# KiCad board FlightComputer.kicad_pcb (continued)
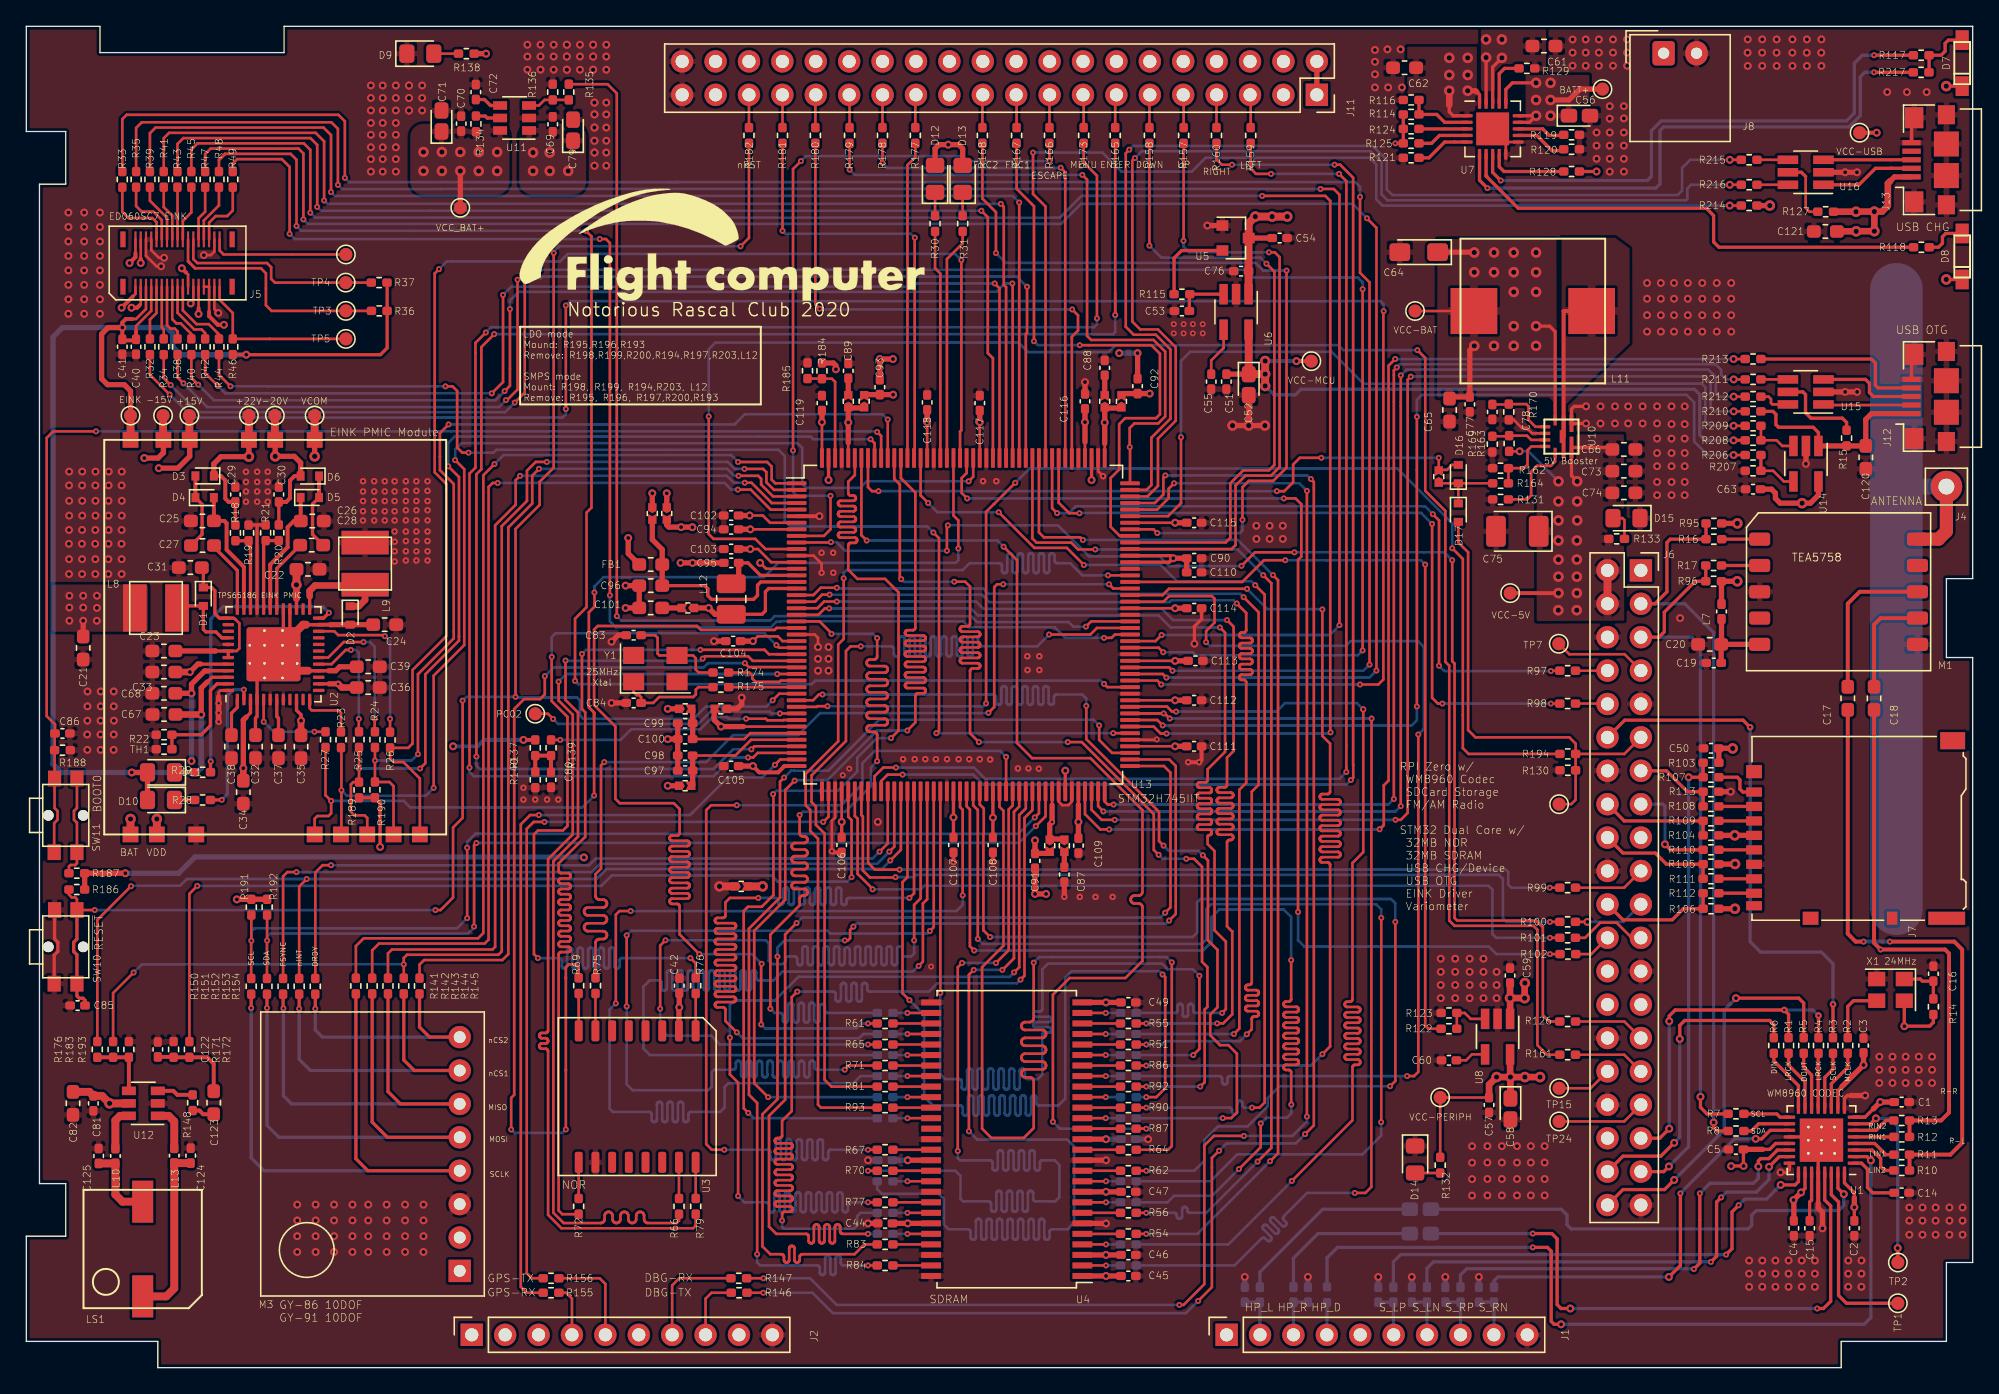
[diagram p0: board, top side]
## Routing (per net, layer and track width the routed paths; a pad name or vN(x,y) marks a point on that pad's centre or on a via; arc(x,y) is an arc through that point) (continued)
/MCU/FMC_A8: length 82.2
  Top w0.2: v1(67.85,30.55) 68.18,30.88 68.18,35.3 68.5,35.62 U13.61
  Bottom w0.2: v1(67.85,30.55) 67.43,30.13 57.5,30.13 56.82,29.45 55.71,29.45 55.67,29.46 55.62,29.47 55.59,29.49 55.55,29.53 55.53,29.56 55.52,29.61 55.51,29.65 55.51,30.02 55.5,30.06 55.49,30.11 55.47,30.14 55.43,30.18 55.4,30.2 55.35,30.22 55.31,30.22 55.27,30.22 55.22,30.2 55.19,30.18 55.15,30.14 55.13,30.11 55.12,30.06 55.11,30.02 55.11,28.88 55.1,28.84 55.09,28.79 55.07,28.76 55.03,28.72 55,28.7 54.95,28.68 54.91,28.68 54.87,28.68 54.82,28.7 54.79,28.72 54.75,28.76 54.73,28.79 54.72,28.84 54.71,28.88 54.71,30.02 54.7,30.06 54.69,30.11 54.67,30.14 54.63,30.18 54.6,30.2 54.55,30.22 54.51,30.22 54.47,30.22 54.42,30.2 54.39,30.18 54.35,30.14 54.33,30.11 54.32,30.06 54.31,30.02 54.31,28.88 54.3,28.84 54.29,28.79 54.27,28.76 54.23,28.72 54.2,28.7 54.15,28.68 54.11,28.68 54.07,28.68 54.02,28.7 53.99,28.72 53.95,28.76 53.93,28.79 53.92,28.84 53.91,28.88 53.91,30.02 53.9,30.06 53.89,30.11 53.87,30.14 53.83,30.18 53.8,30.2 53.75,30.22 53.71,30.22 53.67,30.22 53.62,30.2 53.59,30.18 53.55,30.14 53.53,30.11 53.52,30.06 53.51,30.02 53.51,28.88 53.5,28.84 53.49,28.79 53.47,28.76 53.43,28.72 53.4,28.7 53.35,28.68 53.31,28.68 53.27,28.68 53.22,28.7 53.19,28.72 53.15,28.76 53.13,28.79 53.12,28.84 53.11,28.88 53.11,30.02 53.1,30.06 53.09,30.11 53.07,30.14 53.03,30.18 53,30.2 52.95,30.22 52.91,30.22 52.87,30.22 52.82,30.2 52.79,30.18 52.75,30.14 52.73,30.11 52.72,30.06 52.71,30.02 52.71,28.88 52.7,28.84 52.69,28.79 52.67,28.76 52.63,28.72 52.6,28.7 52.55,28.68 52.51,28.68 52.47,28.68 52.42,28.7 52.39,28.72 52.35,28.76 52.33,28.79 52.32,28.84 52.31,28.88 52.31,30.02 52.3,30.06 52.29,30.11 52.27,30.14 52.23,30.18 52.2,30.2 52.15,30.22 52.11,30.22 52.07,30.22 52.02,30.2 51.99,30.18 51.95,30.14 51.93,30.11 51.92,30.06 51.91,30.02 51.91,28.88 51.9,28.84 51.89,28.79 51.87,28.76 51.83,28.72 51.8,28.7 51.75,28.68 51.71,28.68 51.67,28.68 51.62,28.7 51.59,28.72 51.55,28.76 51.53,28.79 51.52,28.84 51.51,28.88 51.51,30.02 51.5,30.06 51.49,30.11 51.47,30.14 51.43,30.18 51.4,30.2 51.35,30.22 51.31,30.22 51.27,30.22 51.22,30.2 51.19,30.18 51.15,30.14 51.13,30.11 51.12,30.06 51.11,30.02 51.11,28.88 51.1,28.84 51.09,28.79 51.07,28.76 51.03,28.72 51,28.7 50.95,28.68 50.91,28.68 50.87,28.68 50.82,28.7 50.79,28.72 50.75,28.76 50.73,28.79 50.72,28.84 50.71,28.88 50.71,30.02 50.7,30.06 50.69,30.11 50.67,30.14 50.63,30.18 50.6,30.2 50.55,30.22 50.51,30.22 50.47,30.22 50.42,30.2 50.39,30.18 50.35,30.14 50.33,30.11 50.32,30.06 50.31,30.02 50.31,28.88 50.3,28.84 50.29,28.79 50.27,28.76 50.23,28.72 50.2,28.7 50.15,28.68 50.11,28.68 50.07,28.68 50.02,28.7 49.99,28.72 49.95,28.76 49.93,28.79 49.92,28.84 49.91,28.88 49.91,30.02 49.9,30.06 49.89,30.11 49.87,30.14 49.83,30.18 49.8,30.2 49.75,30.22 49.71,30.22 49.67,30.22 49.62,30.2 49.59,30.18 49.55,30.14 49.53,30.11 49.52,30.06 49.51,30.02 49.51,28.88 49.5,28.84 49.49,28.79 49.47,28.76 49.43,28.72 49.4,28.7 49.35,28.68 49.31,28.68 49.27,28.68 49.22,28.7 49.19,28.72 49.15,28.76 49.13,28.79 49.12,28.84 49.11,28.88 49.11,30.02 49.1,30.06 49.09,30.11 49.07,30.14 49.03,30.18 49,30.2 48.95,30.22 48.91,30.22 48.87,30.22 48.82,30.2 48.79,30.18 48.75,30.14 48.73,30.11 48.72,30.06 48.71,30.02 48.71,28.88 48.7,28.84 48.69,28.79 48.67,28.76 48.63,28.72 48.6,28.7 48.55,28.68 48.51,28.68 48.47,28.68 48.42,28.7 48.39,28.72 48.35,28.76 48.33,28.79 48.32,28.84 48.31,28.88 48.31,29.25 48.3,29.29 48.29,29.34 48.27,29.37 48.23,29.41 48.2,29.43 48.15,29.44 48.11,29.45 47.4,29.45 46.92,28.97 46.92,24.28 47.42,23.78 R68.2
/MCU/FMC_A9: length 82.2
  Top w0.2: v1(62.23,22.66) 62.55,22.97 R71.2 ; v1(68.7,33.2) 69,33.5 U13.62 ; v1(45.65,32.88) v1(45.65,27.47)
  Bottom w0.2: v1(68.7,33.2) 68.52,33.02 61.12,33.02 60.91,33.22 46,33.22 v1(45.65,32.88) ; v1(62.23,22.66) 60.15,22.66 60.11,22.67 60.06,22.68 60.03,22.7 59.99,22.74 59.97,22.77 59.96,22.82 59.95,22.86 59.95,23.14 59.94,23.18 59.93,23.22 59.91,23.26 59.87,23.29 59.84,23.32 59.79,23.33 59.75,23.34 59.71,23.33 59.66,23.32 59.63,23.29 59.59,23.26 59.57,23.22 59.56,23.18 59.55,23.14 59.55,22.28 59.54,22.24 59.53,22.2 59.51,22.16 59.47,22.13 59.44,22.1 59.39,22.09 59.35,22.08 59.31,22.09 59.26,22.1 59.23,22.13 59.19,22.16 59.17,22.2 59.16,22.24 59.15,22.28 59.15,23.14 59.14,23.18 59.13,23.22 59.11,23.26 59.07,23.29 59.04,23.32 58.99,23.33 58.95,23.34 58.91,23.33 58.86,23.32 58.83,23.29 58.79,23.26 58.77,23.22 58.76,23.18 58.75,23.14 58.75,22.28 58.74,22.24 58.73,22.2 58.71,22.16 58.67,22.13 58.64,22.1 58.59,22.09 58.55,22.08 58.51,22.09 58.46,22.1 58.43,22.13 58.39,22.16 58.37,22.2 58.36,22.24 58.35,22.28 58.35,23.14 58.34,23.18 58.33,23.22 58.31,23.26 58.27,23.29 58.24,23.32 58.19,23.33 58.15,23.34 58.11,23.33 58.06,23.32 58.03,23.29 57.99,23.26 57.97,23.22 57.96,23.18 57.95,23.14 57.95,22.28 57.94,22.24 57.93,22.2 57.91,22.16 57.87,22.13 57.84,22.1 57.79,22.09 57.75,22.08 57.71,22.09 57.66,22.1 57.63,22.13 57.59,22.16 57.57,22.2 57.56,22.24 57.55,22.28 57.55,23.14 57.54,23.18 57.53,23.22 57.51,23.26 57.47,23.29 57.44,23.32 57.39,23.33 57.35,23.34 57.31,23.33 57.26,23.32 57.23,23.29 57.19,23.26 57.17,23.22 57.16,23.18 57.15,23.14 57.15,22.28 57.14,22.24 57.13,22.2 57.11,22.16 57.07,22.13 57.04,22.1 56.99,22.09 56.95,22.08 56.91,22.09 56.86,22.1 56.83,22.13 56.79,22.16 56.77,22.2 56.76,22.24 56.75,22.28 56.75,23.14 56.74,23.18 56.73,23.22 56.71,23.26 56.67,23.29 56.64,23.32 56.59,23.33 56.55,23.34 56.51,23.33 56.46,23.32 56.43,23.29 56.39,23.26 56.37,23.22 56.36,23.18 56.35,23.14 56.35,22.28 56.34,22.24 56.33,22.2 56.31,22.16 56.27,22.13 56.24,22.1 56.19,22.09 56.15,22.08 56.11,22.09 56.06,22.1 56.03,22.13 55.99,22.16 55.97,22.2 55.96,22.24 55.95,22.28 55.95,23.14 55.94,23.18 55.93,23.22 55.91,23.26 55.87,23.29 55.84,23.32 55.79,23.33 55.75,23.34 55.71,23.33 55.66,23.32 55.63,23.29 55.59,23.26 55.57,23.22 55.56,23.18 55.55,23.14 55.55,22.28 55.54,22.24 55.53,22.2 55.51,22.16 55.47,22.13 55.44,22.1 55.39,22.09 55.35,22.08 55.31,22.09 55.26,22.1 55.23,22.13 55.19,22.16 55.17,22.2 55.16,22.24 55.15,22.28 55.15,23.14 55.14,23.18 55.13,23.22 55.11,23.26 55.07,23.29 55.04,23.32 54.99,23.33 54.95,23.34 54.91,23.33 54.86,23.32 54.83,23.29 54.79,23.26 54.77,23.22 54.76,23.18 54.75,23.14 54.75,22.28 54.74,22.24 54.73,22.2 54.71,22.16 54.67,22.13 54.64,22.1 54.59,22.09 54.55,22.08 54.51,22.09 54.46,22.1 54.43,22.13 54.39,22.16 54.37,22.2 54.36,22.24 54.35,22.28 54.35,23.14 54.34,23.18 54.33,23.22 54.31,23.26 54.27,23.29 54.24,23.32 54.19,23.33 54.15,23.34 54.11,23.33 54.06,23.32 54.03,23.29 53.99,23.26 53.97,23.22 53.96,23.18 53.95,23.14 53.95,22.86 53.94,22.82 53.93,22.77 53.91,22.74 53.87,22.7 53.84,22.68 53.79,22.67 53.75,22.66 52.31,22.66 52.12,22.47 52.12,21.38 51.85,21.1 46.1,21.1 45.65,21.55 v1(45.65,27.47)
/MCU/FMC_A10: length 82.2
  Top w0.2: v1(89.2,29.8) 89.2,24.24 v1(88.73,23.78) ; v1(69.5,28.5) U13.63
  Bottom w0.2: v1(89.2,29.8) 88.7,30.3 86.78,30.3 86.35,30.72 77.69,30.72 77.25,30.3 77.25,27.28 77.25,27.24 77.24,27.2 77.21,27.16 77.18,27.13 77.14,27.1 77.1,27.09 77.06,27.08 76.76,27.08 76.72,27.08 76.68,27.07 76.64,27.04 76.61,27.01 76.58,26.97 76.57,26.93 76.56,26.89 76.57,26.84 76.58,26.8 76.61,26.76 76.64,26.73 76.68,26.7 76.72,26.69 76.76,26.69 77.75,26.69 77.79,26.68 77.83,26.67 77.87,26.64 77.9,26.61 77.93,26.57 77.94,26.53 77.95,26.48 77.94,26.44 77.93,26.4 77.9,26.36 77.87,26.33 77.83,26.3 77.79,26.29 77.75,26.28 76.76,26.28 76.72,26.28 76.68,26.27 76.64,26.24 76.61,26.21 76.58,26.17 76.57,26.13 76.56,26.08 76.57,26.04 76.58,26 76.61,25.96 76.64,25.93 76.68,25.9 76.72,25.89 76.76,25.89 77.75,25.89 77.79,25.88 77.83,25.87 77.87,25.84 77.9,25.81 77.93,25.77 77.94,25.73 77.95,25.69 77.94,25.64 77.93,25.6 77.9,25.56 77.87,25.53 77.83,25.5 77.79,25.49 77.75,25.48 77.45,25.48 77.41,25.48 77.37,25.47 77.33,25.44 77.3,25.41 77.27,25.37 77.26,25.33 77.25,25.28 77.25,22.28 76.92,21.95 76.13,21.95 76.09,21.96 76.04,21.97 76.01,21.99 75.97,22.03 75.95,22.06 75.94,22.11 75.93,22.15 75.93,22.55 75.92,22.59 75.91,22.64 75.89,22.67 75.85,22.71 75.82,22.73 75.77,22.74 75.73,22.75 75.69,22.74 75.64,22.73 75.61,22.71 75.57,22.67 75.55,22.64 75.54,22.59 75.53,22.55 75.53,21.35 75.52,21.31 75.51,21.26 75.49,21.23 75.45,21.19 75.42,21.17 75.37,21.16 75.33,21.15 75.29,21.16 75.24,21.17 75.21,21.19 75.17,21.23 75.15,21.26 75.14,21.31 75.13,21.35 75.13,22.55 75.12,22.59 75.11,22.64 75.09,22.67 75.05,22.71 75.02,22.73 74.97,22.74 74.93,22.75 74.89,22.74 74.84,22.73 74.81,22.71 74.77,22.67 74.75,22.64 74.74,22.59 74.73,22.55 74.73,21.35 74.72,21.31 74.71,21.26 74.69,21.23 74.65,21.19 74.62,21.17 74.57,21.16 74.53,21.15 74.49,21.16 74.44,21.17 74.41,21.19 74.37,21.23 74.35,21.26 74.34,21.31 74.33,21.35 74.33,22.55 74.32,22.59 74.31,22.64 74.29,22.67 74.25,22.71 74.22,22.73 74.17,22.74 74.13,22.75 74.09,22.74 74.04,22.73 74.01,22.71 73.97,22.67 73.95,22.64 73.94,22.59 73.93,22.55 73.93,21.35 73.92,21.31 73.91,21.26 73.89,21.23 73.85,21.19 73.82,21.17 73.77,21.16 73.73,21.15 73.69,21.16 73.64,21.17 73.61,21.19 73.57,21.23 73.55,21.26 73.54,21.31 73.53,21.35 73.53,22.55 73.52,22.59 73.51,22.64 73.49,22.67 73.45,22.71 73.42,22.73 73.37,22.74 73.33,22.75 73.29,22.74 73.24,22.73 73.21,22.71 73.17,22.67 73.15,22.64 73.14,22.59 73.13,22.55 73.13,21.35 73.12,21.31 73.11,21.26 73.09,21.23 73.05,21.19 73.02,21.17 72.97,21.16 72.93,21.15 72.89,21.16 72.84,21.17 72.81,21.19 72.77,21.23 72.75,21.26 72.74,21.31 72.73,21.35 72.73,22.55 72.72,22.59 72.71,22.64 72.69,22.67 72.65,22.71 72.62,22.73 72.57,22.74 72.53,22.75 72.49,22.74 72.44,22.73 72.41,22.71 72.37,22.67 72.35,22.64 72.34,22.59 72.33,22.55 72.33,21.35 72.32,21.31 72.31,21.26 72.29,21.23 72.25,21.19 72.22,21.17 72.17,21.16 72.13,21.15 72.09,21.16 72.04,21.17 72.01,21.19 71.97,21.23 71.95,21.26 71.94,21.31 71.93,21.35 71.93,22.55 71.92,22.59 71.91,22.64 71.89,22.67 71.85,22.71 71.82,22.73 71.77,22.74 71.73,22.75 71.69,22.74 71.64,22.73 71.61,22.71 71.57,22.67 71.55,22.64 71.54,22.59 71.53,22.55 71.53,21.35 71.52,21.31 71.51,21.26 71.49,21.23 71.45,21.19 71.42,21.17 71.37,21.16 71.33,21.15 71.29,21.16 71.24,21.17 71.21,21.19 71.17,21.23 71.15,21.26 71.14,21.31 71.13,21.35 71.13,21.75 71.12,21.79 71.11,21.84 71.09,21.87 71.05,21.91 71.02,21.93 70.97,21.94 70.93,21.95 69.86,21.95 69.5,22.31 v1(69.5,28.5) ; v1(88.73,23.78) R74.2
/MCU/FMC_A11: length 82.2
  Top w0.2: v1(44.83,27.7) 44.83,34.45 45.1,34.72 v1(45.95,34.72) ; U13.66 71,42.63 71.2,42.43 v1(71.2,35.92)
  Bottom w0.2: v1(71.2,35.92) 71.2,35.19 70.73,34.72 v1(45.95,34.72) ; R78.2 63.42,22.17 62.88,21.62 53.38,21.62 53.1,21.35 53.1,19.8 52.75,19.45 50.55,19.45 50.51,19.44 50.46,19.43 50.43,19.41 50.39,19.37 50.37,19.34 50.36,19.29 50.35,19.25 50.35,18.88 50.34,18.83 50.33,18.79 50.31,18.75 50.27,18.72 50.24,18.7 50.19,18.68 50.15,18.68 50.11,18.68 50.06,18.7 50.03,18.72 49.99,18.75 49.97,18.79 49.96,18.83 49.95,18.88 49.95,20.02 49.94,20.07 49.93,20.11 49.91,20.15 49.87,20.18 49.84,20.2 49.79,20.22 49.75,20.22 49.71,20.22 49.66,20.2 49.63,20.18 49.59,20.15 49.57,20.11 49.56,20.07 49.55,20.02 49.55,18.88 49.54,18.83 49.53,18.79 49.51,18.75 49.47,18.72 49.44,18.7 49.39,18.68 49.35,18.68 49.31,18.68 49.26,18.7 49.23,18.72 49.19,18.75 49.17,18.79 49.16,18.83 49.15,18.88 49.15,20.02 49.14,20.07 49.13,20.11 49.11,20.15 49.07,20.18 49.04,20.2 48.99,20.22 48.95,20.22 48.91,20.22 48.86,20.2 48.83,20.18 48.79,20.15 48.77,20.11 48.76,20.07 48.75,20.02 48.75,18.88 48.74,18.83 48.73,18.79 48.71,18.75 48.67,18.72 48.64,18.7 48.59,18.68 48.55,18.68 48.51,18.68 48.46,18.7 48.43,18.72 48.39,18.75 48.37,18.79 48.36,18.83 48.35,18.88 48.35,20.02 48.34,20.07 48.33,20.11 48.31,20.15 48.27,20.18 48.24,20.2 48.19,20.22 48.15,20.22 48.11,20.22 48.06,20.2 48.03,20.18 47.99,20.15 47.97,20.11 47.96,20.07 47.95,20.02 47.95,18.88 47.94,18.83 47.93,18.79 47.91,18.75 47.87,18.72 47.84,18.7 47.79,18.68 47.75,18.68 47.71,18.68 47.66,18.7 47.63,18.72 47.59,18.75 47.57,18.79 47.56,18.83 47.55,18.88 47.55,19.25 47.54,19.29 47.53,19.34 47.51,19.37 47.47,19.41 47.44,19.43 47.39,19.44 47.35,19.45 44.6,19.45 44.35,19.7 44.35,27.22 v1(44.83,27.7)
/MCU/FMC_A12: length 82.2
  Top w0.2: U13.110 81.41,56.25 80.91,55.75 v1(77.77,55.75) ; R81.2 61.23,21.38 60.7,21.9 60.7,40.62 60.04,41.28 60.04,42.68 59.71,43.01 59.71,45.04 62.33,47.65 62.33,54.5 62.67,54.85 v1(63.45,54.85)
  Bottom w0.2: v1(77.77,55.75) 76.87,54.85 72.57,54.85 72.53,54.86 72.48,54.87 72.45,54.89 72.41,54.93 72.39,54.96 72.38,55.01 72.37,55.05 72.37,55.42 72.36,55.46 72.35,55.5 72.33,55.54 72.29,55.57 72.26,55.6 72.21,55.61 72.17,55.62 72.13,55.61 72.08,55.6 72.05,55.57 72.01,55.54 71.99,55.5 71.98,55.46 71.97,55.42 71.97,54.28 71.96,54.24 71.95,54.2 71.93,54.16 71.89,54.13 71.86,54.1 71.81,54.09 71.77,54.08 71.73,54.09 71.68,54.1 71.65,54.13 71.61,54.16 71.59,54.2 71.58,54.24 71.57,54.28 71.57,55.42 71.56,55.46 71.55,55.5 71.53,55.54 71.49,55.57 71.46,55.6 71.41,55.61 71.37,55.62 71.33,55.61 71.28,55.6 71.25,55.57 71.21,55.54 71.19,55.5 71.18,55.46 71.17,55.42 71.17,54.28 71.16,54.24 71.15,54.2 71.13,54.16 71.09,54.13 71.06,54.1 71.01,54.09 70.97,54.08 70.93,54.09 70.88,54.1 70.85,54.13 70.81,54.16 70.79,54.2 70.78,54.24 70.77,54.28 70.77,55.42 70.76,55.46 70.75,55.5 70.73,55.54 70.69,55.57 70.66,55.6 70.61,55.61 70.57,55.62 70.53,55.61 70.48,55.6 70.45,55.57 70.41,55.54 70.39,55.5 70.38,55.46 70.37,55.42 70.37,54.28 70.36,54.24 70.35,54.2 70.33,54.16 70.29,54.13 70.26,54.1 70.21,54.09 70.17,54.08 70.13,54.09 70.08,54.1 70.05,54.13 70.01,54.16 69.99,54.2 69.98,54.24 69.97,54.28 69.97,55.42 69.96,55.46 69.95,55.5 69.93,55.54 69.89,55.57 69.86,55.6 69.81,55.61 69.77,55.62 69.73,55.61 69.68,55.6 69.65,55.57 69.61,55.54 69.59,55.5 69.58,55.46 69.57,55.42 69.57,54.28 69.56,54.24 69.55,54.2 69.53,54.16 69.49,54.13 69.46,54.1 69.41,54.09 69.37,54.08 69.33,54.09 69.28,54.1 69.25,54.13 69.21,54.16 69.19,54.2 69.18,54.24 69.17,54.28 69.17,55.42 69.16,55.46 69.15,55.5 69.13,55.54 69.09,55.57 69.06,55.6 69.01,55.61 68.97,55.62 68.93,55.61 68.88,55.6 68.85,55.57 68.81,55.54 68.79,55.5 68.78,55.46 68.77,55.42 68.77,54.28 68.76,54.24 68.75,54.2 68.73,54.16 68.69,54.13 68.66,54.1 68.61,54.09 68.57,54.08 68.53,54.09 68.48,54.1 68.45,54.13 68.41,54.16 68.39,54.2 68.38,54.24 68.37,54.28 68.37,55.42 68.36,55.46 68.35,55.5 68.33,55.54 68.29,55.57 68.26,55.6 68.21,55.61 68.17,55.62 68.13,55.61 68.08,55.6 68.05,55.57 68.01,55.54 67.99,55.5 67.98,55.46 67.97,55.42 67.97,54.28 67.96,54.24 67.95,54.2 67.93,54.16 67.89,54.13 67.86,54.1 67.81,54.09 67.77,54.08 67.73,54.09 67.68,54.1 67.65,54.13 67.61,54.16 67.59,54.2 67.58,54.24 67.57,54.28 67.57,55.42 67.56,55.46 67.55,55.5 67.53,55.54 67.49,55.57 67.46,55.6 67.41,55.61 67.37,55.62 67.33,55.61 67.28,55.6 67.25,55.57 67.21,55.54 67.19,55.5 67.18,55.46 67.17,55.42 67.17,54.28 67.16,54.24 67.15,54.2 67.13,54.16 67.09,54.13 67.06,54.1 67.01,54.09 66.97,54.08 66.93,54.09 66.88,54.1 66.85,54.13 66.81,54.16 66.79,54.2 66.78,54.24 66.77,54.28 66.77,55.42 66.76,55.46 66.75,55.5 66.73,55.54 66.69,55.57 66.66,55.6 66.61,55.61 66.57,55.62 66.53,55.61 66.48,55.6 66.45,55.57 66.41,55.54 66.39,55.5 66.38,55.46 66.37,55.42 66.37,54.28 66.36,54.24 66.35,54.2 66.33,54.16 66.29,54.13 66.26,54.1 66.21,54.09 66.17,54.08 66.13,54.09 66.08,54.1 66.05,54.13 66.01,54.16 65.99,54.2 65.98,54.24 65.97,54.28 65.97,54.65 65.96,54.69 65.95,54.74 65.93,54.77 65.89,54.81 65.86,54.83 65.81,54.84 65.77,54.85 v1(63.45,54.85)
/MCU/FMC_BA0: length 82.2
  Top w0.2: v1(105,22.17) 105.53,22.17 105.84,22.5 v1(105.84,48.15) ; v1(89.71,55.17) 89.71,56.02 90.35,56.66 90.35,58.48 90.16,58.67 86.89,58.67 86.47,58.25 U13.114
  Bottom w0.2: v1(105.84,48.15) 106.26,48.56 106.26,54.81 105.82,55.25 100.69,55.25 100.33,54.89 89.99,54.89 v1(89.71,55.17) ; v1(105,22.17) 91.53,22.17 91.48,22.17 91.44,22.16 91.4,22.13 91.37,22.1 91.34,22.06 91.33,22.02 91.33,21.97 91.33,21.74 91.32,21.69 91.31,21.65 91.28,21.61 91.25,21.58 91.21,21.56 91.17,21.54 91.12,21.54 91.08,21.54 91.04,21.56 91,21.58 90.97,21.61 90.94,21.65 90.93,21.69 90.92,21.74 90.92,21.97 90.92,22.02 90.91,22.06 90.88,22.1 90.85,22.13 90.81,22.16 90.77,22.17 90.72,22.17 R85.2
/MCU/FMC_BA1: length 82.2
  Top w0.2: v1(92.82,59.23) 86.88,59.23 86.4,58.75 U13.115 ; v1(98.55,23.84) 99.14,24.43 99.14,38.22 99.13,38.26 99.12,38.31 99.1,38.34 99.06,38.38 99.03,38.4 98.98,38.41 98.94,38.42 98.56,38.42 98.51,38.43 98.47,38.44 98.43,38.46 98.4,38.5 98.38,38.53 98.36,38.58 98.36,38.62 98.36,38.66 98.38,38.71 98.4,38.74 98.43,38.78 98.47,38.8 98.51,38.81 98.56,38.82 99.72,38.82 99.77,38.83 99.81,38.84 99.85,38.86 99.88,38.9 99.9,38.93 99.92,38.98 99.92,39.02 99.92,39.06 99.9,39.11 99.88,39.14 99.85,39.18 99.81,39.2 99.77,39.21 99.72,39.22 98.56,39.22 98.51,39.23 98.47,39.24 98.43,39.26 98.4,39.3 98.38,39.33 98.36,39.38 98.36,39.42 98.36,39.46 98.38,39.51 98.4,39.54 98.43,39.58 98.47,39.6 98.51,39.61 98.56,39.62 99.72,39.62 99.77,39.63 99.81,39.64 99.85,39.66 99.88,39.7 99.9,39.73 99.92,39.78 99.92,39.82 99.92,39.86 99.9,39.91 99.88,39.94 99.85,39.98 99.81,40 99.77,40.01 99.72,40.02 98.56,40.02 98.51,40.03 98.47,40.04 98.43,40.06 98.4,40.1 98.38,40.13 98.36,40.18 98.36,40.22 98.36,40.26 98.38,40.31 98.4,40.34 98.43,40.38 98.47,40.4 98.51,40.41 98.56,40.42 99.72,40.42 99.77,40.43 99.81,40.44 99.85,40.46 99.88,40.5 99.9,40.53 99.92,40.58 99.92,40.62 99.92,40.66 99.9,40.71 99.88,40.74 99.85,40.78 99.81,40.8 99.77,40.81 99.72,40.82 98.56,40.82 98.51,40.83 98.47,40.84 98.43,40.86 98.4,40.9 98.38,40.93 98.36,40.98 98.36,41.02 98.36,41.06 98.38,41.11 98.4,41.14 98.43,41.18 98.47,41.2 98.51,41.21 98.56,41.22 99.72,41.22 99.77,41.23 99.81,41.24 99.85,41.26 99.88,41.3 99.9,41.33 99.92,41.38 99.92,41.42 99.92,41.46 99.9,41.51 99.88,41.54 99.85,41.58 99.81,41.6 99.77,41.61 99.72,41.62 98.56,41.62 98.51,41.63 98.47,41.64 98.43,41.66 98.4,41.7 98.38,41.73 98.36,41.78 98.36,41.82 98.36,41.86 98.38,41.91 98.4,41.94 98.43,41.98 98.47,42 98.51,42.01 98.56,42.02 99.72,42.02 99.77,42.03 99.81,42.04 99.85,42.06 99.88,42.1 99.9,42.13 99.92,42.18 99.92,42.22 99.92,42.26 99.9,42.31 99.88,42.34 99.85,42.38 99.81,42.4 99.77,42.41 99.72,42.42 98.56,42.42 98.51,42.43 98.47,42.44 98.43,42.46 98.4,42.5 98.38,42.53 98.36,42.58 98.36,42.62 98.36,42.66 98.38,42.71 98.4,42.74 98.43,42.78 98.47,42.8 98.51,42.81 98.56,42.82 99.72,42.82 99.77,42.83 99.81,42.84 99.85,42.86 99.88,42.9 99.9,42.93 99.92,42.98 99.92,43.02 99.92,43.06 99.9,43.11 99.88,43.14 99.85,43.18 99.81,43.2 99.77,43.21 99.72,43.22 98.56,43.22 98.51,43.23 98.47,43.24 98.43,43.26 98.4,43.3 98.38,43.33 98.36,43.38 98.36,43.42 98.36,43.46 98.38,43.51 98.4,43.54 98.43,43.58 98.47,43.6 98.51,43.61 98.56,43.62 98.94,43.62 98.98,43.63 99.03,43.64 99.06,43.66 99.1,43.7 99.12,43.73 99.13,43.78 99.14,43.82 99.14,47.45 98.55,48.04 v1(98.55,57.66) ; R86.2 v1(85.16,22.97)
  Bottom w0.2: v1(98.55,57.66) 98.53,57.68 94.37,57.68 v1(92.82,59.23) ; v1(85.16,22.97) 97.69,22.97 v1(98.55,23.84)
/MCU/FMC_CKE1: length 82.2
  Top w0.2: U13.164 66.5,67.65 67.6,66.55 67.6,56.28 67.59,56.24 67.58,56.19 67.56,56.16 67.52,56.12 67.49,56.1 67.44,56.09 67.4,56.08 67.02,56.08 66.97,56.07 66.93,56.06 66.89,56.04 66.86,56 66.83,55.97 66.82,55.92 66.82,55.88 66.82,55.84 66.83,55.79 66.86,55.76 66.89,55.72 66.93,55.7 66.97,55.69 67.02,55.68 68.18,55.68 68.23,55.67 68.27,55.66 68.31,55.64 68.34,55.6 68.37,55.57 68.38,55.52 68.38,55.48 68.38,55.44 68.37,55.39 68.34,55.36 68.31,55.32 68.27,55.3 68.23,55.29 68.18,55.28 67.02,55.28 66.97,55.27 66.93,55.26 66.89,55.24 66.86,55.2 66.83,55.17 66.82,55.12 66.82,55.08 66.82,55.04 66.83,54.99 66.86,54.96 66.89,54.92 66.93,54.9 66.97,54.89 67.02,54.88 68.18,54.88 68.23,54.87 68.27,54.86 68.31,54.84 68.34,54.8 68.37,54.77 68.38,54.72 68.38,54.68 68.38,54.64 68.37,54.59 68.34,54.56 68.31,54.52 68.27,54.5 68.23,54.49 68.18,54.48 67.02,54.48 66.97,54.47 66.93,54.46 66.89,54.44 66.86,54.4 66.83,54.37 66.82,54.32 66.82,54.28 66.82,54.24 66.83,54.19 66.86,54.16 66.89,54.12 66.93,54.1 66.97,54.09 67.02,54.08 68.18,54.08 68.23,54.07 68.27,54.06 68.31,54.04 68.34,54 68.37,53.97 68.38,53.92 68.38,53.88 68.38,53.84 68.37,53.79 68.34,53.76 68.31,53.72 68.27,53.7 68.23,53.69 68.18,53.68 67.02,53.68 66.97,53.67 66.93,53.66 66.89,53.64 66.86,53.6 66.83,53.57 66.82,53.52 66.82,53.48 66.82,53.44 66.83,53.39 66.86,53.36 66.89,53.32 66.93,53.3 66.97,53.29 67.02,53.28 68.18,53.28 68.23,53.27 68.27,53.26 68.31,53.24 68.34,53.2 68.37,53.17 68.38,53.12 68.38,53.08 68.38,53.04 68.37,52.99 68.34,52.96 68.31,52.92 68.27,52.9 68.23,52.89 68.18,52.88 67.02,52.88 66.97,52.87 66.93,52.86 66.89,52.84 66.86,52.8 66.83,52.77 66.82,52.72 66.82,52.68 66.82,52.64 66.83,52.59 66.86,52.56 66.89,52.52 66.93,52.5 66.97,52.49 67.02,52.48 68.18,52.48 68.23,52.47 68.27,52.46 68.31,52.44 68.34,52.4 68.37,52.37 68.38,52.32 68.38,52.28 68.38,52.24 68.37,52.19 68.34,52.16 68.31,52.12 68.27,52.1 68.23,52.09 68.18,52.08 67.02,52.08 66.97,52.07 66.93,52.06 66.89,52.04 66.86,52 66.83,51.97 66.82,51.92 66.82,51.88 66.82,51.84 66.83,51.79 66.86,51.76 66.89,51.72 66.93,51.7 66.97,51.69 67.02,51.68 68.18,51.68 68.23,51.67 68.27,51.66 68.31,51.64 68.34,51.6 68.37,51.57 68.38,51.52 68.38,51.48 68.38,51.44 68.37,51.39 68.34,51.36 68.31,51.32 68.27,51.3 68.23,51.29 68.18,51.28 67.8,51.28 67.76,51.27 67.71,51.26 67.68,51.24 67.64,51.2 67.62,51.17 67.61,51.12 67.6,51.08 67.6,49.06 v1(66.99,48.45) ; v1(58.42,44.64) 57.71,43.93 57.71,35.58 55.35,33.22 55.35,21.63 v1(56.41,20.58)
  Bottom w0.2: v1(66.99,48.45) 64.68,48.45 60.91,44.68 58.46,44.68 v1(58.42,44.64) ; R94.2 v1(56.41,20.58)
/MCU/FMC_CLK: length 82.2
  Top w0.2: U13.118 v1(82.25,60.25) ; v1(62.15,60.02) 62.15,55.41 61.73,54.99 61.73,47.63 59.26,45.15 59.26,42.76 59.61,42.41 59.61,40.81 60.2,40.22 60.2,20 60.42,19.78 R93.2
  Bottom w0.2: v1(62.15,60.02) 62.15,60.42 62.38,60.65 71.2,60.65 71.72,61.17 73.98,61.17 74.03,61.17 74.07,61.16 74.11,61.13 74.14,61.1 74.17,61.06 74.18,61.02 74.19,60.98 74.19,60.62 74.19,60.58 74.2,60.53 74.23,60.5 74.26,60.47 74.3,60.44 74.34,60.43 74.39,60.42 74.43,60.43 74.47,60.44 74.51,60.47 74.54,60.5 74.57,60.53 74.58,60.58 74.58,60.62 74.58,61.73 74.59,61.77 74.6,61.82 74.63,61.85 74.66,61.88 74.7,61.91 74.74,61.92 74.78,61.93 74.83,61.92 74.87,61.91 74.91,61.88 74.94,61.85 74.97,61.82 74.98,61.77 74.98,61.73 74.98,60.62 74.99,60.58 75,60.53 75.03,60.5 75.06,60.47 75.1,60.44 75.14,60.43 75.19,60.42 75.23,60.43 75.27,60.44 75.31,60.47 75.34,60.5 75.37,60.53 75.38,60.58 75.39,60.62 75.39,61.73 75.39,61.77 75.4,61.82 75.43,61.85 75.46,61.88 75.5,61.91 75.54,61.92 75.58,61.93 75.63,61.92 75.67,61.91 75.71,61.88 75.74,61.85 75.77,61.82 75.78,61.77 75.78,61.73 75.78,60.62 75.79,60.58 75.8,60.53 75.83,60.5 75.86,60.47 75.9,60.44 75.94,60.43 75.98,60.42 76.03,60.43 76.07,60.44 76.11,60.47 76.14,60.5 76.17,60.53 76.18,60.58 76.19,60.62 76.19,61.73 76.19,61.77 76.2,61.82 76.23,61.85 76.26,61.88 76.3,61.91 76.34,61.92 76.39,61.93 76.43,61.92 76.47,61.91 76.51,61.88 76.54,61.85 76.57,61.82 76.58,61.77 76.58,61.73 76.58,60.62 76.59,60.58 76.6,60.53 76.63,60.5 76.66,60.47 76.7,60.44 76.74,60.43 76.78,60.42 76.83,60.43 76.87,60.44 76.91,60.47 76.94,60.5 76.97,60.53 76.98,60.58 76.98,60.62 76.98,61.73 76.99,61.77 77,61.82 77.03,61.85 77.06,61.88 77.1,61.91 77.14,61.92 77.19,61.93 77.23,61.92 77.27,61.91 77.31,61.88 77.34,61.85 77.37,61.82 77.38,61.77 77.39,61.73 77.39,60.62 77.39,60.58 77.4,60.53 77.43,60.5 77.46,60.47 77.5,60.44 77.54,60.43 77.58,60.42 77.63,60.43 77.67,60.44 77.71,60.47 77.74,60.5 77.77,60.53 77.78,60.58 77.78,60.62 77.78,61.73 77.79,61.77 77.8,61.82 77.83,61.85 77.86,61.88 77.9,61.91 77.94,61.92 77.98,61.93 78.03,61.92 78.07,61.91 78.11,61.88 78.14,61.85 78.17,61.82 78.18,61.77 78.19,61.73 78.19,61.38 78.19,61.33 78.2,61.29 78.23,61.25 78.26,61.22 78.3,61.19 78.34,61.18 78.39,61.17 79.38,61.17 80.3,60.25 v1(82.25,60.25)
